# KiCad board sizif128.kicad_pcb (continued)
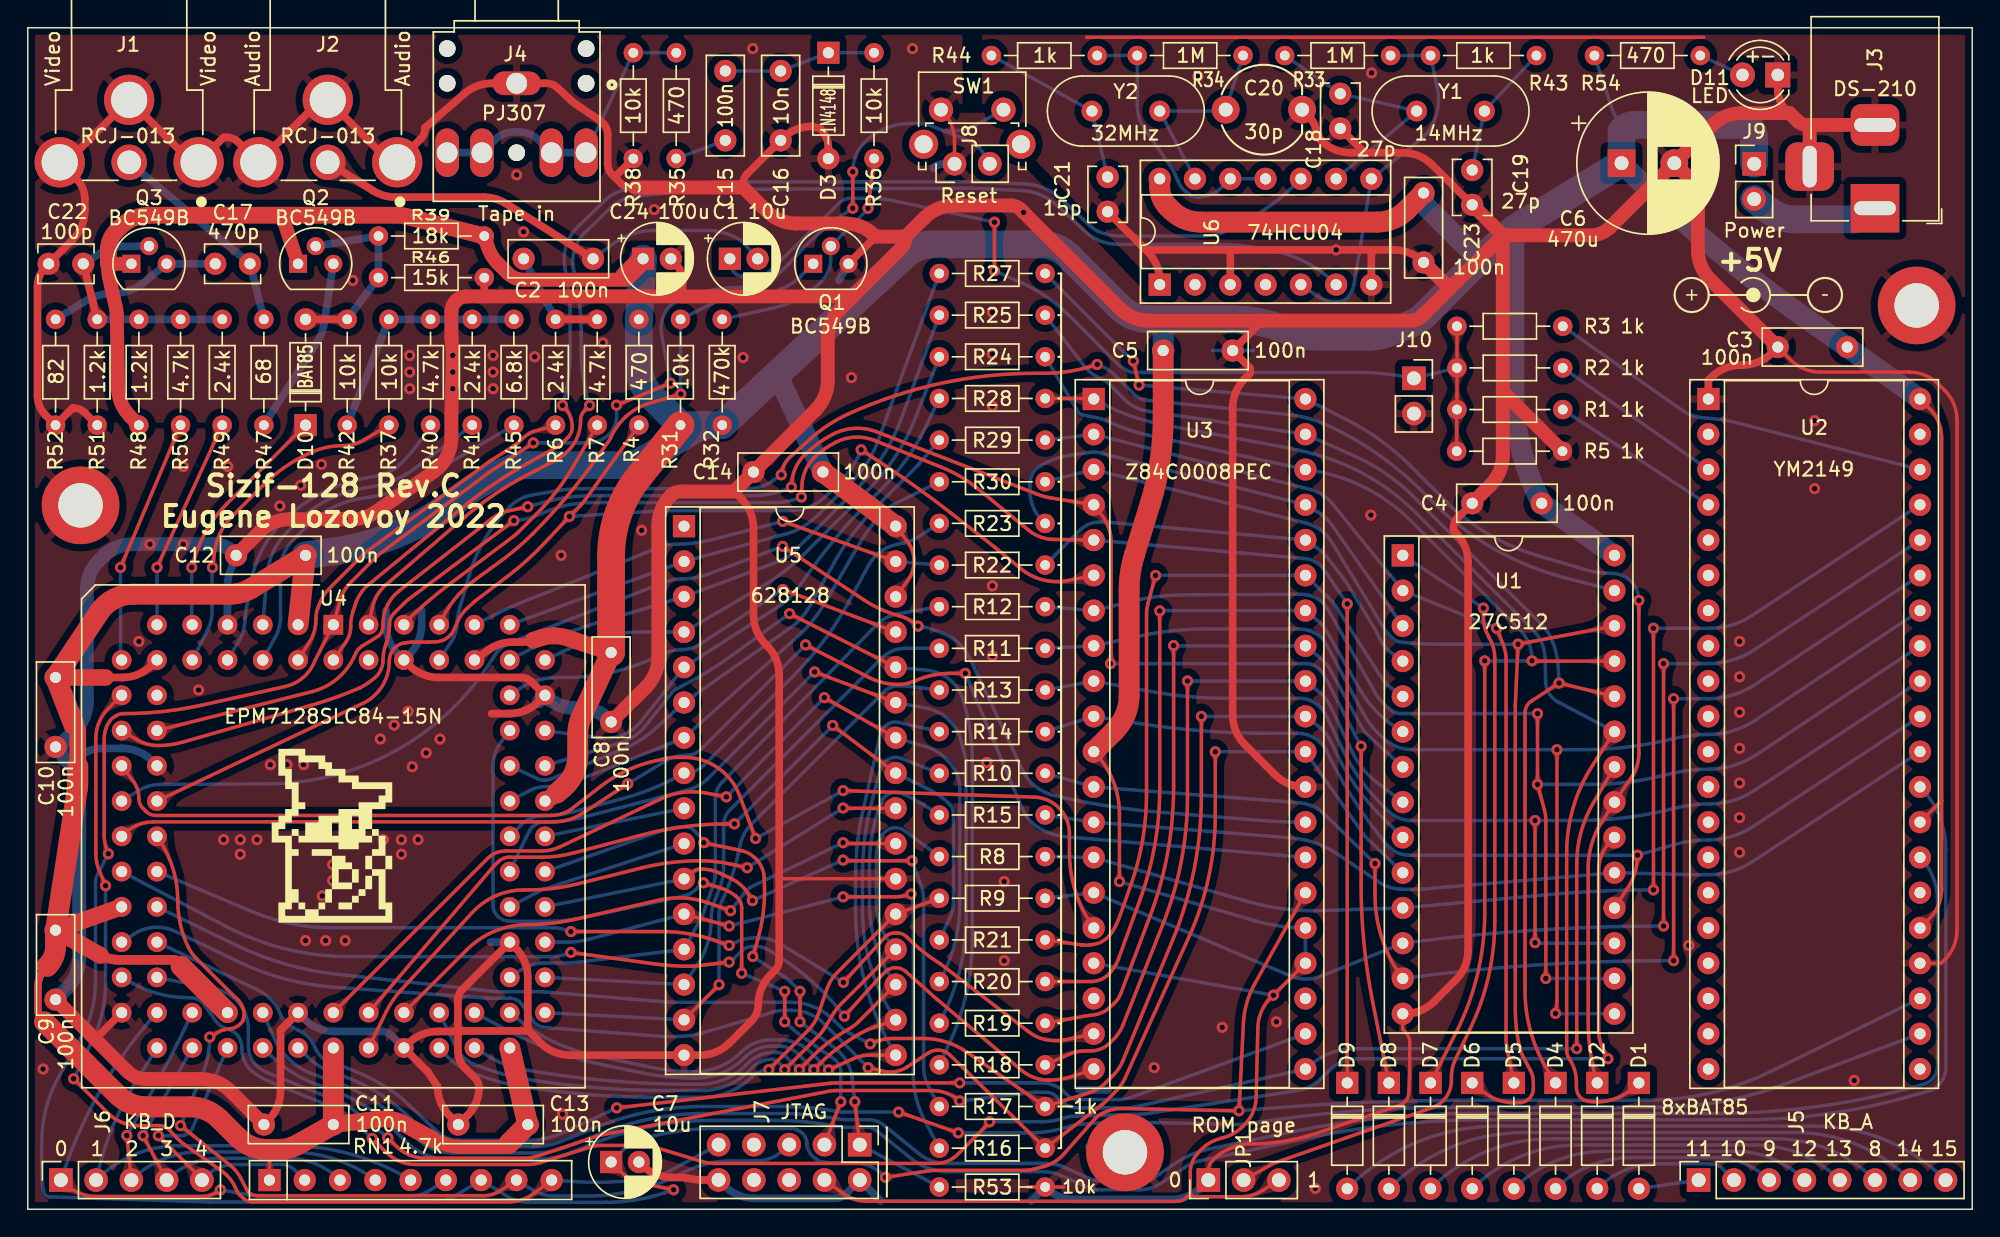
[diagram p0: board, top side]
## Copper pours and planes (outline as drawn; the poured copper is in the pictures) (continued)
Net-(C19-Pad2) on Bottom: 106.32,80.82 106.13,80.62 105.96,80.47 105.8,80.34 105.66,80.24 105.52,80.16 105.37,80.09 105.21,80.02 105.04,79.96 104.84,79.89 104.61,79.8 104.62,78.83 105.6,78.88 105.67,79.11 105.72,79.31 105.78,79.49 105.83,79.65 105.89,79.81 105.96,79.95 106.05,80.11 106.17,80.27 106.32,80.45 106.5,80.65
Net-(C19-Pad2) on Bottom: 104.36,77.22 104.3,76.93 104.23,76.69 104.16,76.49 104.08,76.32 104,76.16 103.9,76.02 103.79,75.87 103.67,75.72 103.53,75.54 103.37,75.34 103.92,74.46 104.78,75.05 104.71,75.3 104.65,75.51 104.6,75.71 104.56,75.88 104.52,76.06 104.51,76.23 104.51,76.42 104.52,76.63 104.55,76.88 104.61,77.17
Net-(C19-Pad2) on Bottom: 104.55,76.88 104.61,77.15 104.67,77.37 104.74,77.56 104.81,77.72 104.89,77.87 104.98,78 105.08,78.14 105.19,78.29 105.32,78.45 105.47,78.64 104.96,79.47 104.15,78.92 104.21,78.68 104.27,78.48 104.32,78.3 104.36,78.13 104.38,77.97 104.4,77.81 104.4,77.63 104.39,77.43 104.35,77.2 104.3,76.93
Net-(C19-Pad2) on Bottom: 107.28,81.49 107.46,81.67 107.62,81.82 107.76,81.94 107.9,82.03 108.03,82.11 108.17,82.18 108.31,82.24 108.48,82.3 108.66,82.37 108.87,82.45 108.86,83.36 107.95,83.31 107.89,83.09 107.83,82.9 107.78,82.74 107.73,82.59 107.67,82.45 107.6,82.31 107.52,82.17 107.41,82.02 107.27,81.85 107.1,81.66
Net-(C20-Pad1) on Bottom: 82.65,77.17 82.52,77.42 82.43,77.63 82.36,77.82 82.31,77.99 82.28,78.15 82.27,78.31 82.26,78.48 82.26,78.67 82.25,78.88 82.25,79.12 81.33,79.43 81.05,78.5 81.25,78.35 81.42,78.23 81.57,78.12 81.71,78.02 81.83,77.91 81.94,77.79 82.06,77.66 82.17,77.49 82.29,77.3 82.42,77.06
Net-(C20-Pad1) on Bottom: 82.83,76.28 82.96,76.02 83.05,75.79 83.13,75.59 83.18,75.41 83.21,75.24 83.22,75.06 83.23,74.88 83.23,74.68 83.24,74.46 83.24,74.2 84.22,73.87 84.52,74.86 84.31,75.02 84.12,75.15 83.96,75.26 83.82,75.37 83.68,75.49 83.56,75.61 83.44,75.76 83.32,75.93 83.19,76.14 83.05,76.4
Net-(C20-Pad1) on Bottom: 86.98,81.07 87.06,81.31 87.14,81.51 87.22,81.68 87.3,81.83 87.39,81.95 87.48,82.07 87.59,82.19 87.71,82.31 87.85,82.45 88.01,82.62 87.61,83.43 86.81,83 86.84,82.78 86.87,82.58 86.9,82.41 86.92,82.26 86.92,82.1 86.92,81.95 86.9,81.79 86.87,81.6 86.82,81.39 86.74,81.15
Net-(C20-Pad1) on Bottom: 83.25,78.97 83.63,78.97 83.94,78.94 84.21,78.9 84.45,78.84 84.66,78.78 84.87,78.69 85.09,78.6 85.32,78.5 85.59,78.38 85.91,78.26 86.75,79.25 85.73,80.05 85.45,79.88 85.22,79.73 85,79.61 84.81,79.5 84.61,79.41 84.4,79.34 84.17,79.29 83.91,79.25 83.61,79.23 83.25,79.22
Net-(C20-Pad1) on Bottom: 87.04,82.09 86.92,81.74 86.81,81.45 86.69,81.21 86.57,81.01 86.44,80.83 86.3,80.67 86.14,80.5 85.76,80.12 85.53,79.89 86.1,78.72 87.24,79.34 87.19,79.67 87.1,80.19 87.07,80.42 87.05,80.64 87.04,80.86 87.06,81.09 87.1,81.36 87.18,81.66 87.28,82.01
Net-(C20-Pad1) on Bottom: 83.74,79.22 83.47,79.23 83.23,79.25 83.04,79.27 82.86,79.31 82.71,79.36 82.55,79.42 82.4,79.49 82.23,79.57 82.05,79.67 81.83,79.77 81.12,79.1 81.83,78.42 82.05,78.53 82.23,78.63 82.4,78.71 82.55,78.78 82.71,78.84 82.86,78.89 83.04,78.93 83.23,78.95 83.47,78.97 83.74,78.97
Net-(C21-Pad2) on Bottom: 74.6,80.07 74.84,79.94 75.03,79.81 75.19,79.69 75.33,79.58 75.44,79.46 75.54,79.33 75.64,79.2 75.75,79.04 75.87,78.87 76.01,78.67 76.95,78.92 76.66,79.85 76.42,79.86 76.21,79.87 76.02,79.87 75.85,79.89 75.69,79.91 75.53,79.94 75.36,79.99 75.17,80.07 74.96,80.16 74.72,80.29
Net-(C21-Pad2) on Bottom: 71.27,82.2 71.05,82.33 70.87,82.44 70.72,82.55 70.59,82.66 70.48,82.77 70.38,82.89 70.29,83.01 70.19,83.16 70.08,83.32 69.95,83.5 69.07,83.27 69.34,82.4 69.57,82.39 69.76,82.38 69.94,82.38 70.1,82.36 70.25,82.34 70.4,82.31 70.55,82.26 70.73,82.19 70.92,82.1 71.15,81.98
Net-(C21-Pad2) on Bottom: 77.08,76.65 77.14,76.36 77.18,76.12 77.2,75.9 77.2,75.72 77.19,75.54 77.16,75.37 77.13,75.19 77.08,75 77.03,74.78 76.97,74.52 77.84,73.96 78.37,74.86 78.2,75.06 78.06,75.23 77.93,75.38 77.81,75.52 77.71,75.66 77.62,75.82 77.54,75.99 77.47,76.18 77.39,76.42 77.32,76.7
Net-(C21-Pad2) on Bottom: 77.26,76.95 77.2,77.22 77.16,77.45 77.14,77.64 77.14,77.82 77.15,77.99 77.17,78.15 77.21,78.31 77.25,78.5 77.3,78.7 77.35,78.94 76.53,79.46 76.04,78.63 76.19,78.44 76.33,78.28 76.45,78.14 76.56,78 76.65,77.87 76.73,77.73 76.81,77.57 76.88,77.38 76.95,77.16 77.02,76.89
Net-(C22-Pad1) on Top: 4.85,65.85 4.78,66.13 4.73,66.37 4.69,66.58 4.66,66.77 4.65,66.95 4.65,67.12 4.67,67.29 4.7,67.48 4.73,67.69 4.78,67.94 3.9,68.49 3.39,67.59 3.54,67.4 3.68,67.23 3.79,67.07 3.88,66.93 3.97,66.78 4.04,66.62 4.11,66.44 4.17,66.23 4.24,66 4.31,65.71
Net-(C22-Pad1) on Top: 4.23,66.06 4.29,65.82 4.34,65.6 4.37,65.42 4.4,65.25 4.41,65.1 4.41,64.95 4.41,64.8 4.39,64.63 4.36,64.45 4.31,64.24 5.08,63.76 5.54,64.55 5.4,64.71 5.29,64.86 5.2,64.99 5.12,65.13 5.05,65.26 4.99,65.4 4.93,65.56 4.88,65.74 4.82,65.95 4.76,66.19
Net-(C22-Pad1) on Bottom: 11.91,63.82 12.16,63.82 12.38,63.82 12.57,63.81 12.73,63.8 12.89,63.77 13.03,63.74 13.18,63.69 13.33,63.63 13.5,63.56 13.69,63.47 14.35,64.1 13.69,64.73 13.5,64.64 13.33,64.57 13.18,64.51 13.03,64.46 12.89,64.43 12.73,64.4 12.57,64.39 12.38,64.38 12.16,64.38 11.91,64.38
Net-(C22-Pad1) on Bottom: 10.09,64.38 9.84,64.38 9.62,64.38 9.43,64.39 9.27,64.4 9.11,64.43 8.97,64.46 8.82,64.51 8.67,64.57 8.5,64.64 8.31,64.73 7.65,64.1 8.31,63.47 8.5,63.56 8.67,63.63 8.82,63.69 8.97,63.74 9.11,63.77 9.27,63.8 9.43,63.81 9.62,63.82 9.84,63.82 10.09,63.82
Net-(C22-Pad1) on Bottom: 6.79,69.63 6.39,69.6 6.06,69.54 5.77,69.46 5.53,69.37 5.3,69.26 5.08,69.16 4.85,69.06 4.6,68.98 4.32,68.93 3.98,68.9 3.66,67.89 4.68,67.67 4.84,67.93 5,68.17 5.15,68.38 5.31,68.55 5.48,68.71 5.67,68.83 5.89,68.94 6.15,69.01 6.45,69.06 6.8,69.08
Net-(C22-Pad1) on Bottom: 7.09,64.38 6.84,64.38 6.62,64.38 6.43,64.39 6.27,64.4 6.11,64.43 5.97,64.46 5.82,64.51 5.67,64.57 5.5,64.64 5.31,64.73 4.65,64.1 5.31,63.47 5.5,63.56 5.67,63.63 5.82,63.69 5.97,63.74 6.11,63.77 6.27,63.8 6.43,63.81 6.62,63.82 6.84,63.82 7.09,63.82
Net-(C22-Pad1) on Bottom: 5.71,68.82 6.06,68.98 6.37,69.09 6.65,69.16 6.91,69.2 7.16,69.2 7.4,69.18 7.64,69.12 7.89,69.03 8.16,68.92 8.45,68.78 9.05,69.37 8.44,69.95 8.12,69.82 7.83,69.74 7.56,69.69 7.31,69.68 7.05,69.67 6.79,69.66 6.51,69.64 6.2,69.58 5.86,69.48 5.47,69.32
Net-(C22-Pad1) on Bottom: 13.09,64.38 12.84,64.38 12.62,64.38 12.43,64.39 12.27,64.4 12.11,64.43 11.97,64.46 11.82,64.51 11.67,64.57 11.5,64.64 11.31,64.73 10.65,64.1 11.31,63.47 11.5,63.56 11.67,63.63 11.82,63.69 11.97,63.74 12.11,63.77 12.27,63.8 12.43,63.81 12.62,63.82 12.84,63.82 13.09,63.82
Net-(C22-Pad1) on Bottom: 8.91,63.82 9.16,63.82 9.38,63.82 9.57,63.81 9.73,63.8 9.89,63.77 10.03,63.74 10.18,63.69 10.33,63.63 10.5,63.56 10.69,63.47 11.35,64.1 10.69,64.73 10.5,64.64 10.33,64.57 10.18,64.51 10.03,64.46 9.89,64.43 9.73,64.4 9.57,64.39 9.38,64.38 9.16,64.38 8.91,64.38
Net-(C22-Pad1) on Bottom: 5.91,63.82 6.16,63.82 6.38,63.82 6.57,63.81 6.73,63.8 6.89,63.77 7.03,63.74 7.18,63.69 7.33,63.63 7.5,63.56 7.69,63.47 8.35,64.1 7.69,64.73 7.5,64.64 7.33,64.57 7.18,64.51 7.03,64.46 6.89,64.43 6.73,64.4 6.57,64.39 6.38,64.38 6.16,64.38 5.91,64.38
Net-(D1-Pad2) on Bottom: 117.8,1.61 118.11,1.65 118.38,1.67 118.6,1.67 118.8,1.66 118.99,1.63 119.17,1.58 119.35,1.52 119.55,1.46 119.78,1.38 120.04,1.29 120.72,2.16 119.82,2.8 119.6,2.65 119.4,2.51 119.23,2.38 119.07,2.28 118.91,2.18 118.74,2.1 118.55,2.03 118.33,1.97 118.08,1.91 117.77,1.86
Net-(D1-Pad2) on Bottom: 118.35,1.94 118.06,1.91 117.81,1.89 117.6,1.89 117.41,1.9 117.24,1.93 117.07,1.97 116.89,2.02 116.7,2.09 116.49,2.16 116.24,2.24 115.6,1.42 116.45,0.82 116.66,0.97 116.85,1.1 117.01,1.21 117.16,1.31 117.31,1.4 117.47,1.47 117.65,1.54 117.85,1.6 118.09,1.65 118.38,1.7
Net-(D2-Pad2) on Bottom: 114.93,2.92 114.65,2.8 114.4,2.71 114.19,2.64 114.01,2.57 113.83,2.52 113.66,2.48 113.48,2.43 113.28,2.38 113.05,2.32 112.79,2.25 112.7,1.22 113.74,1.17 113.83,1.4 113.91,1.6 113.99,1.78 114.07,1.94 114.17,2.09 114.28,2.22 114.41,2.35 114.57,2.46 114.78,2.58 115.03,2.69
Net-(D2-Pad2) on Bottom: 120.72,3.15 120.98,3.13 121.19,3.09 121.37,3.01 121.51,2.91 121.63,2.78 121.73,2.63 121.81,2.45 121.89,2.26 121.96,2.05 122.04,1.82 123.14,1.8 122.84,2.95 122.58,2.96 122.36,3 122.17,3.05 121.99,3.11 121.83,3.18 121.66,3.24 121.48,3.3 121.27,3.35 121.02,3.39 120.72,3.4
Net-(D4-Pad2) on Bottom: 111.88,3 111.6,2.86 111.37,2.75 111.16,2.66 110.98,2.59 110.81,2.54 110.64,2.48 110.46,2.43 110.26,2.38 110.04,2.32 109.78,2.25 109.7,1.21 110.74,1.18 110.83,1.41 110.91,1.62 110.99,1.8 111.07,1.96 111.15,2.11 111.26,2.25 111.39,2.38 111.55,2.51 111.74,2.64 111.99,2.77
Net-(D4-Pad2) on Bottom: 123.19,3.31 123.46,3.21 123.69,3.11 123.86,2.99 124.01,2.87 124.13,2.73 124.23,2.58 124.32,2.41 124.41,2.22 124.5,2 124.6,1.76 125.7,1.82 125.6,2.92 125.31,2.99 125.07,3.05 124.86,3.1 124.66,3.15 124.48,3.19 124.29,3.24 124.08,3.3 123.85,3.36 123.59,3.45 123.27,3.55
Net-(D5-Pad2) on Bottom: 125.78,3.43 126.05,3.3 126.26,3.17 126.44,3.04 126.58,2.91 126.69,2.76 126.78,2.61 126.87,2.43 126.95,2.24 127.04,2.02 127.14,1.77 128.24,1.82 128.15,2.92 127.87,2.99 127.63,3.06 127.42,3.11 127.23,3.16 127.05,3.21 126.86,3.27 126.66,3.33 126.44,3.42 126.19,3.52 125.89,3.66
Net-(D5-Pad2) on Bottom: 108.84,3.05 108.57,2.9 108.34,2.78 108.14,2.68 107.96,2.61 107.79,2.54 107.63,2.49 107.45,2.44 107.25,2.38 107.03,2.32 106.77,2.25 106.71,1.21 107.74,1.18 107.83,1.42 107.91,1.63 107.99,1.81 108.06,1.98 108.14,2.13 108.25,2.27 108.37,2.41 108.53,2.54 108.72,2.68 108.96,2.83
Net-(D6-Pad2) on Bottom: 105.81,3.08 105.55,2.92 105.32,2.79 105.13,2.69 104.95,2.61 104.78,2.55 104.62,2.49 104.44,2.44 104.02,2.32 103.77,2.24 103.71,1.21 104.75,1.19 104.84,1.43 104.91,1.64 104.98,1.82 105.06,1.99 105.14,2.14 105.24,2.28 105.36,2.42 105.51,2.56 105.7,2.71 105.94,2.87
Net-(D6-Pad2) on Bottom: 128.36,3.5 128.62,3.35 128.83,3.21 129,3.07 129.13,2.93 129.24,2.78 129.33,2.62 129.41,2.45 129.49,2.25 129.57,2.03 129.67,1.78 130.77,1.81 130.7,2.92 130.42,2.99 130.18,3.06 129.97,3.11 129.78,3.17 129.6,3.22 129.42,3.28 129.23,3.36 129.01,3.45 128.77,3.57 128.48,3.72
Net-(D7-Pad2) on Bottom: 102.78,3.1 102.53,2.94 102.31,2.81 102.12,2.7 101.94,2.62 101.78,2.55 101.61,2.5 101.43,2.44 101.02,2.32 100.76,2.24 100.71,1.21 101.75,1.19 101.84,1.43 101.91,1.64 101.98,1.83 102.05,1.99 102.13,2.15 102.23,2.29 102.35,2.44 102.5,2.58 102.69,2.73 102.92,2.9
Net-(D7-Pad2) on Bottom: 130.93,3.55 131.18,3.39 131.39,3.24 131.55,3.09 131.68,2.95 131.79,2.8 131.88,2.64 131.95,2.46 132.03,2.26 132.11,2.04 132.21,1.79 133.31,1.81 133.25,2.91 132.97,2.99 132.73,3.06 132.52,3.12 132.34,3.17 132.16,3.23 131.98,3.29 131.79,3.38 131.58,3.48 131.33,3.61 131.05,3.77
Net-(D8-Pad2) on Bottom: 99.76,3.12 99.51,2.95 99.3,2.82 99.11,2.71 98.94,2.63 98.77,2.56 98.6,2.5 98.43,2.44 98.02,2.32 97.76,2.24 97.71,1.21 98.75,1.2 98.84,1.44 98.91,1.65 98.98,1.83 99.05,2 99.13,2.15 99.23,2.3 99.34,2.45 99.49,2.59 99.68,2.75 99.91,2.92
Net-(D8-Pad2) on Bottom: 133.49,3.59 133.74,3.42 133.94,3.26 134.1,3.11 134.23,2.96 134.33,2.81 134.42,2.64 134.5,2.47 134.57,2.27 134.65,2.05 134.75,1.79 135.85,1.81 135.79,2.91 135.52,2.99 135.28,3.06 135.07,3.12 134.88,3.17 134.71,3.23 134.53,3.3 134.34,3.39 134.13,3.49 133.9,3.63 133.62,3.8
Net-(D9-Pad2) on Bottom: 96.75,3.14 96.5,2.97 96.29,2.83 96.1,2.72 95.93,2.63 95.77,2.56 95.6,2.5 95.42,2.44 95.01,2.32 94.76,2.24 94.71,1.2 95.75,1.2 95.84,1.44 95.91,1.65 95.98,1.84 96.05,2 96.13,2.16 96.22,2.31 96.34,2.45 96.48,2.6 96.67,2.76 96.9,2.94
Net-(D9-Pad2) on Bottom: 136.05,3.62 136.29,3.44 136.49,3.28 136.65,3.12 136.78,2.97 136.88,2.82 136.96,2.65 137.04,2.47 137.11,2.27 137.19,2.05 137.29,1.8 138.39,1.81 138.33,2.91 138.06,2.99 137.62,3.12 137.43,3.18 137.25,3.24 137.08,3.31 136.89,3.4 136.69,3.51 136.45,3.65 136.19,3.82
Net-(D10-Pad2) on Top: 22.39,64.38 22.1,64.38 21.85,64.38 21.64,64.4 21.45,64.42 21.28,64.45 21.11,64.5 20.94,64.55 20.77,64.63 20.57,64.71 20.35,64.82 19.6,64.1 20.35,63.38 20.57,63.49 20.77,63.57 20.94,63.65 21.11,63.7 21.28,63.75 21.45,63.78 21.64,63.8 21.85,63.82 22.1,63.82 22.39,63.82
Net-(D10-Pad2) on Top: 20.91,63.82 21.16,63.82 21.38,63.82 21.57,63.81 21.73,63.8 21.89,63.77 22.03,63.74 22.18,63.69 22.33,63.63 22.5,63.56 22.69,63.47 23.35,64.1 22.69,64.73 22.5,64.64 22.33,64.57 22.18,64.51 22.03,64.46 21.89,64.43 21.73,64.4 21.57,64.39 21.38,64.38 21.16,64.38 20.91,64.38
Net-(D10-Pad2) on Bottom: 22.6,69.95 22.37,69.91 22.17,69.88 22,69.86 21.84,69.85 21.7,69.85 21.56,69.85 21.42,69.87 21.27,69.9 21.1,69.94 20.92,69.99 20.41,69.32 21.1,68.84 21.26,68.95 21.41,69.04 21.54,69.11 21.67,69.17 21.8,69.22 21.94,69.26 22.09,69.3 22.26,69.34 22.46,69.37 22.69,69.41
Net-(D10-Pad2) on Bottom: 24.97,69.19 24.97,68.94 24.97,68.72 24.96,68.53 24.95,68.37 24.92,68.21 24.89,68.07 24.84,67.92 24.78,67.77 24.71,67.6 24.62,67.41 25.25,66.75 25.88,67.41 25.79,67.6 25.72,67.77 25.66,67.92 25.61,68.07 25.58,68.21 25.55,68.37 25.54,68.53 25.53,68.72 25.53,68.94 25.53,69.19
Net-(D10-Pad2) on Bottom: 24.22,65.26 24.37,65.46 24.5,65.64 24.62,65.78 24.73,65.9 24.84,66.01 24.96,66.11 25.08,66.2 25.22,66.29 25.38,66.38 25.57,66.48 25.46,67.38 24.56,67.23 24.52,67.03 24.48,66.85 24.43,66.69 24.38,66.54 24.32,66.41 24.25,66.27 24.16,66.13 24.05,65.97 23.93,65.8 23.78,65.59
Net-(D10-Pad2) on Bottom: 24.03,65.94 23.88,65.74 23.75,65.56 23.63,65.42 23.52,65.3 23.41,65.19 23.29,65.09 23.17,65 23.03,64.91 22.87,64.82 22.68,64.72 22.79,63.82 23.69,63.97 23.73,64.17 23.77,64.35 23.82,64.51 23.87,64.66 23.93,64.79 24,64.93 24.09,65.07 24.2,65.23 24.32,65.4 24.47,65.61
Net-(D10-Pad2) on Bottom: 25.53,68.01 25.53,68.26 25.53,68.48 25.54,68.67 25.55,68.83 25.58,68.99 25.61,69.13 25.66,69.28 25.72,69.43 25.79,69.6 25.88,69.79 25.25,70.45 24.62,69.79 24.71,69.6 24.78,69.43 24.84,69.28 24.89,69.13 24.92,68.99 24.95,68.83 24.96,68.67 24.97,68.48 24.97,68.26 24.97,68.01
Net-(D10-Pad2) on Bottom: 23.23,69.5 23.48,69.53 23.69,69.57 23.88,69.59 24.05,69.6 24.2,69.6 24.35,69.59 24.51,69.57 24.67,69.53 24.85,69.49 25.05,69.43 25.6,70.16 24.85,70.67 24.67,70.55 24.52,70.45 24.38,70.37 24.24,70.3 24.1,70.25 23.95,70.2 23.79,70.16 23.61,70.12 23.39,70.08 23.14,70.04
Net-(D11-Pad2) on Bottom: 120.96,82.71 121.26,82.57 121.51,82.43 121.71,82.3 121.87,82.17 122.02,82.04 122.15,81.89 122.28,81.74 122.42,81.56 122.58,81.36 122.76,81.13 123.87,81.51 123.44,82.6 123.15,82.59 122.89,82.58 122.67,82.57 122.46,82.57 122.27,82.57 122.07,82.6 121.86,82.64 121.63,82.71 121.37,82.81 121.07,82.94
Net-(D11-Pad2) on Bottom: 122.37,82.34 122.14,82.45 121.95,82.55 121.79,82.65 121.66,82.75 121.54,82.85 121.44,82.96 121.33,83.08 121.23,83.21 121.1,83.37 120.96,83.54 120.1,83.25 120.43,82.4 120.66,82.41 120.86,82.41 121.03,82.42 121.19,82.42 121.34,82.41 121.49,82.39 121.65,82.35 121.83,82.29 122.03,82.21 122.27,82.11
Net-(J3-Pad1) on Bottom: 127.96,70.3 128.66,70.3 129.25,70.31 129.78,70.32 130.24,70.33 130.67,70.35 131.09,70.36 131.5,70.37 131.93,70.37 132.41,70.36 132.95,70.35 133.8,72.46 131.66,73.23 131.38,72.93 131.1,72.7 130.81,72.53 130.5,72.42 130.17,72.34 129.82,72.3 129.42,72.29 128.99,72.29 128.5,72.3 127.96,72.3
Net-(JP1-Pad2) on Top: 105.03,41.95 104.99,42.11 104.96,42.25 104.94,42.37 104.94,42.48 104.95,42.58 104.97,42.68 105,42.78 105.05,42.88 105.1,43 105.16,43.13 104.8,43.5 104.44,43.13 104.5,42.99 104.55,42.87 104.59,42.76 104.62,42.65 104.64,42.55 104.68,42.33 104.71,42.2 104.74,42.05 104.79,41.88
Net-(JP1-Pad2) on Top: 89.73,3.45 89.43,3.35 89.18,3.26 88.96,3.19 88.76,3.13 88.58,3.08 88.4,3.04 88.21,3.01 88.01,2.99 87.77,2.97 87.49,2.95 87.17,1.89 88.24,1.61 88.39,1.85 88.52,2.06 88.63,2.25 88.73,2.42 88.84,2.58 88.96,2.73 89.11,2.86 89.29,2.99 89.52,3.1 89.81,3.22
Net-(JP1-Pad2) on Bottom: 101.07,45.89 100.83,46.06 100.63,46.21 100.47,46.35 100.34,46.48 100.22,46.62 100.12,46.76 100.03,46.92 99.93,47.09 99.82,47.29 99.69,47.51 98.67,47.32 98.9,46.31 99.16,46.28 99.38,46.25 99.58,46.23 99.76,46.2 99.93,46.17 100.1,46.12 100.27,46.05 100.47,45.96 100.68,45.84 100.93,45.69
Net-(JP1-Pad2) on Bottom: 103.74,43.85 103.86,43.77 103.96,43.7 104.04,43.63 104.11,43.57 104.17,43.51 104.23,43.44 104.28,43.37 104.34,43.29 104.39,43.2 104.46,43.09 104.97,43.19 104.85,43.7 104.73,43.71 104.62,43.73 104.53,43.75 104.44,43.77 104.36,43.79 104.28,43.82 104.19,43.86 104.1,43.92 103.99,43.98 103.87,44.06
Net-(Q1-Pad2) on Top: 60.8,73.59 60.84,73.84 60.88,74.06 60.92,74.24 60.98,74.39 61.04,74.53 61.11,74.67 61.19,74.8 61.29,74.95 61.39,75.11 61.52,75.3 60.97,76.03 60.27,75.45 60.34,75.24 60.41,75.05 60.47,74.89 60.51,74.74 60.55,74.59 60.58,74.44 60.59,74.28 60.59,74.09 60.58,73.87 60.56,73.62
Net-(Q1-Pad2) on Bottom: 57.58,67.16 57.72,67.41 57.82,67.62 57.9,67.81 57.95,67.98 58,68.14 58.05,68.3 58.1,68.46 58.16,68.63 58.25,68.82 58.37,69.03 57.82,69.69 57.24,69.09 57.43,68.7 57.5,68.53 57.56,68.37 57.6,68.21 57.62,68.05 57.61,67.89 57.56,67.71 57.48,67.51 57.37,67.29
Net-(Q1-Pad2) on Bottom: 52.01,64.68 51.76,64.63 51.55,64.59 51.36,64.58 51.2,64.57 51.04,64.58 50.89,64.61 50.74,64.64 50.57,64.68 50.38,64.73 50.16,64.78 49.66,64.02 50.44,63.55 50.61,63.69 50.76,63.82 50.9,63.93 51.02,64.02 51.15,64.11 51.29,64.18 51.44,64.25 51.61,64.31 51.82,64.38 52.07,64.44
Net-(Q1-Pad2) on Bottom: 59.1,70.83 58.93,70.67 58.78,70.53 58.65,70.43 58.52,70.34 58.39,70.27 58.27,70.21 58.13,70.16 57.98,70.11 57.81,70.05 57.61,69.98 57.59,69.14 58.43,69.16 58.5,69.36 58.56,69.53 58.61,69.68 58.66,69.82 58.72,69.94 58.79,70.07 58.88,70.2 58.98,70.33 59.12,70.48 59.28,70.65
Net-(Q1-Pad2) on Bottom: 59.76,71.13 59.87,71.24 59.96,71.33 60.05,71.4 60.12,71.46 60.2,71.51 60.27,71.55 60.35,71.59 60.44,71.64 60.66,71.73 60.63,72.25 60.11,72.2 60.08,72.08 60.05,71.98 60.02,71.89 59.98,71.81 59.94,71.73 59.9,71.66 59.84,71.58 59.77,71.5 59.68,71.41 59.58,71.31
Net-(Q2-Pad3) on Bottom: 21.97,66.14 22.01,66.37 22.04,66.57 22.08,66.74 22.11,66.9 22.15,67.03 22.2,67.16 22.26,67.29 22.34,67.42 22.43,67.57 22.53,67.73 22.05,68.42 21.38,67.91 21.43,67.72 21.47,67.56 21.5,67.41 21.52,67.27 21.53,67.13 21.53,66.99 21.52,66.83 21.49,66.66 21.47,66.46 21.43,66.23
Net-(Q2-Pad3) on Bottom: 17.9,58.39 17.76,58.18 17.64,58 17.53,57.84 17.43,57.71 17.32,57.59 17.22,57.49 17.1,57.39 16.97,57.29 16.81,57.19 16.63,57.08 16.81,56.19 17.7,56.4 17.72,56.61 17.75,56.79 17.79,56.95 17.83,57.1 17.88,57.24 17.94,57.38 18.02,57.53 18.11,57.69 18.22,57.88 18.36,58.09
Net-(R1-Pad1) on Bottom: 118.93,51.94 119.17,51.78 119.37,51.63 119.53,51.49 119.66,51.36 119.78,51.22 119.88,51.08 119.97,50.92 120.07,50.75 120.18,50.55 120.31,50.33 121.33,50.52 121.1,51.53 120.84,51.56 120.62,51.59 120.42,51.61 120.24,51.64 120.07,51.67 119.9,51.72 119.72,51.79 119.53,51.88 119.32,52 119.07,52.15
Net-(R1-Pad1) on Bottom: 112.34,56.56 112.13,56.7 111.95,56.83 111.81,56.95 111.69,57.07 111.59,57.19 111.51,57.31 111.42,57.45 111.33,57.59 111.24,57.76 111.12,57.96 110.23,57.79 110.43,56.91 110.66,56.88 110.85,56.86 111.02,56.84 111.18,56.81 111.33,56.78 111.47,56.74 111.63,56.67 111.8,56.59 111.98,56.49 112.2,56.35
Net-(R2-Pad1) on Bottom: 112.31,59.51 112.1,59.66 111.93,59.79 111.79,59.92 111.68,60.04 111.58,60.16 111.5,60.28 111.42,60.42 111.33,60.57 111.24,60.74 111.13,60.94 110.23,60.8 110.41,59.91 110.63,59.87 110.83,59.85 111,59.82 111.15,59.79 111.3,59.76 111.45,59.71 111.6,59.64 111.76,59.56 111.95,59.44 112.16,59.3
Net-(R2-Pad1) on Bottom: 118.97,54.55 119.21,54.37 119.4,54.22 119.55,54.07 119.68,53.94 119.79,53.8 119.89,53.65 119.98,53.49 120.07,53.32 120.18,53.12 120.3,52.89 121.33,53.05 121.13,54.07 120.87,54.11 120.65,54.14 120.45,54.17 120.27,54.2 120.1,54.24 119.93,54.29 119.76,54.36 119.57,54.46 119.36,54.59 119.11,54.75
Net-(R3-Pad1) on Bottom: 133.89,53.75 134.18,53.67 134.41,53.59 134.61,53.51 134.78,53.43 134.93,53.34 135.07,53.23 135.21,53.12 135.36,52.99 135.53,52.84 135.72,52.67 136.63,53.18 136.08,54.06 135.83,54.01 135.61,53.96 135.41,53.92 135.23,53.88 135.06,53.86 134.88,53.85 134.69,53.86 134.48,53.88 134.24,53.93 133.96,53.99
Net-(R3-Pad1) on Bottom: 112.3,62.5 112.09,62.65 111.93,62.79 111.79,62.91 111.68,63.03 111.58,63.15 111.5,63.28 111.42,63.42 111.33,63.57 111.24,63.74 111.13,63.94 110.23,63.8 110.41,62.91 110.63,62.87 110.82,62.85 111,62.82 111.15,62.79 111.3,62.75 111.44,62.7 111.6,62.64 111.76,62.55 111.95,62.44 112.16,62.29
Net-(R33-Pad2) on Bottom: 100.22,83.22 99.96,83.23 99.75,83.24 99.56,83.27 99.4,83.3 99.25,83.34 99.11,83.4 98.96,83.46 98.81,83.54 98.63,83.63 98.43,83.73 97.77,83.1 98.43,82.47 98.63,82.57 98.81,82.66 98.96,82.74 99.11,82.8 99.25,82.86 99.4,82.9 99.56,82.93 99.75,82.96 99.96,82.97 100.22,82.97
Net-(R33-Pad2) on Bottom: 98.52,75.82 98.29,75.64 98.09,75.5 97.91,75.39 97.74,75.3 97.57,75.24 97.41,75.19 97.23,75.14 97.04,75.1 96.81,75.06 96.56,75 96.43,73.97 97.46,73.88 97.57,74.11 97.66,74.32 97.75,74.5 97.83,74.67 97.91,74.82 98.01,74.96 98.13,75.11 98.27,75.27 98.46,75.43 98.68,75.62
Net-(R33-Pad2) on Bottom: 101.55,81.08 101.5,81.33 101.47,81.55 101.46,81.73 101.46,81.9 101.47,82.05 101.49,82.2 101.53,82.35 101.57,82.52 101.62,82.71 101.68,82.93 100.93,83.44 100.45,82.67 100.59,82.49 100.71,82.34 100.82,82.2 100.91,82.08 100.99,81.95 101.07,81.81 101.13,81.66 101.19,81.49 101.25,81.28 101.31,81.03
Net-(R33-Pad2) on Bottom: 98.9,82.97 99.16,82.97 99.37,82.96 99.56,82.93 99.72,82.9 99.87,82.86 100.01,82.8 100.16,82.74 100.31,82.66 100.49,82.57 100.69,82.47 101.35,83.1 100.69,83.73 100.49,83.63 100.31,83.54 100.16,83.46 100.01,83.4 99.87,83.34 99.72,83.3 99.56,83.27 99.37,83.24 99.16,83.23 98.9,83.22
Net-(R33-Pad2) on Bottom: 94.28,65.49 93.94,65.49 93.66,65.54 93.42,65.62 93.23,65.73 93.06,65.87 92.91,66.04 92.77,66.24 92.64,66.47 92.36,66.99 91.33,66.83 91.69,65.8 92.01,65.79 92.28,65.75 92.51,65.69 92.72,65.61 92.93,65.52 93.13,65.43 93.36,65.35 93.62,65.28 93.92,65.24 94.28,65.24
Net-(R33-Pad2) on Bottom: 96.47,71.84 96.53,72.13 96.58,72.37 96.65,72.57 96.72,72.75 96.8,72.91 96.89,73.06 96.99,73.21 97.11,73.37 97.24,73.55 97.39,73.76 96.81,74.61 95.97,73.99 96.05,73.74 96.12,73.53 96.18,73.34 96.23,73.16 96.26,72.99 96.29,72.82 96.3,72.63 96.29,72.42 96.27,72.17 96.23,71.88
Net-(R34-Pad2) on Bottom: 84.6,72.8 84.89,72.85 85.14,72.91 85.35,72.98 85.53,73.05 85.69,73.12 85.85,73.19 86.02,73.26 86.21,73.33 86.43,73.38 86.69,73.43 86.86,74.5 85.82,74.48 85.75,74.25 85.68,74.04 85.61,73.85 85.53,73.67 85.44,73.52 85.34,73.38 85.2,73.27 85.03,73.17 84.82,73.1 84.56,73.05
Net-(R34-Pad2) on Bottom: 77.79,82.97 78.05,82.97 78.26,82.96 78.45,82.93 78.61,82.9 78.76,82.86 78.9,82.8 79.04,82.74 79.2,82.66 79.37,82.57 79.57,82.47 80.23,83.1 79.57,83.73 79.37,83.63 79.2,83.54 79.04,83.46 78.9,83.4 78.76,83.34 78.61,83.3 78.45,83.27 78.26,83.24 78.05,83.23 77.79,83.22
Net-(R34-Pad2) on Bottom: 80,81.01 80.01,81.27 80.02,81.48 80.05,81.67 80.08,81.83 80.12,81.98 80.18,82.12 80.24,82.26 80.32,82.42 80.41,82.59 80.51,82.79 79.88,83.45 79.25,82.79 79.35,82.59 79.44,82.42 79.52,82.26 79.58,82.12 79.64,81.98 79.68,81.83 79.71,81.67 79.74,81.48 79.75,81.27 79.75,81.01
Net-(R34-Pad2) on Bottom: 79.09,83.22 78.83,83.23 78.62,83.24 78.43,83.27 78.27,83.3 78.12,83.34 77.98,83.4 77.84,83.46 77.68,83.54 77.51,83.63 77.31,83.73 76.65,83.1 77.31,82.47 77.51,82.57 77.68,82.66 77.84,82.74 77.98,82.8 78.12,82.86 78.27,82.9 78.43,82.93 78.62,82.96 78.83,82.97 79.09,82.97
Net-(R34-Pad2) on Bottom: 86.73,74.09 87.02,74.09 87.27,74.07 87.48,74.04 87.66,74 87.83,73.95 87.99,73.89 88.16,73.81 88.34,73.72 88.54,73.62 88.77,73.5 89.52,74.22 88.77,74.94 88.54,74.82 88.34,74.72 88.16,74.63 87.99,74.55 87.83,74.49 87.66,74.44 87.48,74.4 87.27,74.37 87.02,74.35 86.73,74.34
Net-(R34-Pad2) on Bottom: 88.97,74.34 88.68,74.35 88.43,74.37 88.22,74.4 88.04,74.44 87.87,74.49 87.71,74.55 87.54,74.63 87.36,74.72 87.16,74.82 86.93,74.94 86.18,74.22 86.93,73.5 87.16,73.62 87.36,73.72 87.54,73.81 87.71,73.89 87.87,73.95 88.04,74 88.22,74.04 88.43,74.07 88.68,74.09 88.97,74.09
Net-(R37-Pad2) on Bottom: 32.91,63.82 33.16,63.82 33.38,63.82 33.57,63.81 33.73,63.8 33.89,63.77 34.03,63.74 34.18,63.69 34.33,63.63 34.5,63.56 34.69,63.47 35.35,64.1 34.69,64.73 34.5,64.64 34.33,64.57 34.18,64.51 34.03,64.46 33.89,64.43 33.73,64.4 33.57,64.39 33.38,64.38 33.16,64.38 32.91,64.38
Net-(R37-Pad2) on Bottom: 28.09,64.38 27.84,64.38 27.62,64.38 27.43,64.39 27.27,64.4 27.11,64.43 26.97,64.46 26.82,64.51 26.67,64.57 26.5,64.64 26.31,64.73 25.65,64.1 26.31,63.47 26.5,63.56 26.67,63.63 26.82,63.69 26.97,63.74 27.11,63.77 27.27,63.8 27.43,63.81 27.62,63.82 27.84,63.82 28.09,63.82
Net-(R37-Pad2) on Bottom: 25.49,62.05 25.58,62.29 25.67,62.49 25.74,62.66 25.82,62.81 25.9,62.94 25.98,63.07 26.08,63.19 26.19,63.31 26.32,63.44 26.47,63.59 26.13,64.43 25.3,64.05 25.32,63.84 25.32,63.65 25.32,63.49 25.31,63.33 25.29,63.18 25.25,63.03 25.21,62.87 25.15,62.69 25.07,62.49 24.98,62.26
Net-(R37-Pad2) on Bottom: 23.51,58.53 23.42,58.29 23.33,58.09 23.26,57.92 23.18,57.77 23.1,57.64 23.02,57.51 22.92,57.39 22.81,57.27 22.68,57.14 22.53,56.99 22.87,56.15 23.7,56.53 23.68,56.74 23.68,56.93 23.68,57.09 23.69,57.25 23.71,57.4 23.75,57.55 23.79,57.71 23.85,57.89 23.93,58.09 24.02,58.32

Small or netless copper shapes (teardrops, artwork), in the pictures only: 23 on Top, 13 on Bottom

## Text on the board
F.Fab: 22x 1k | 8x BAT85 | Layers: 2 / Dimensions: 85.1x140mm / Thickness: 1.6mm | Min clearance: 0.2mm / Min track: 0.25mm / Min hole: 0.4mm / Min annular ring: 0.2mm
F.Silkscreen: 8xBAT85 | Sizif-128 Rev.C | Eugene Lozovoy 2022 | +5V
